# KiCad board hackrf-one.kicad_pcb (continued)
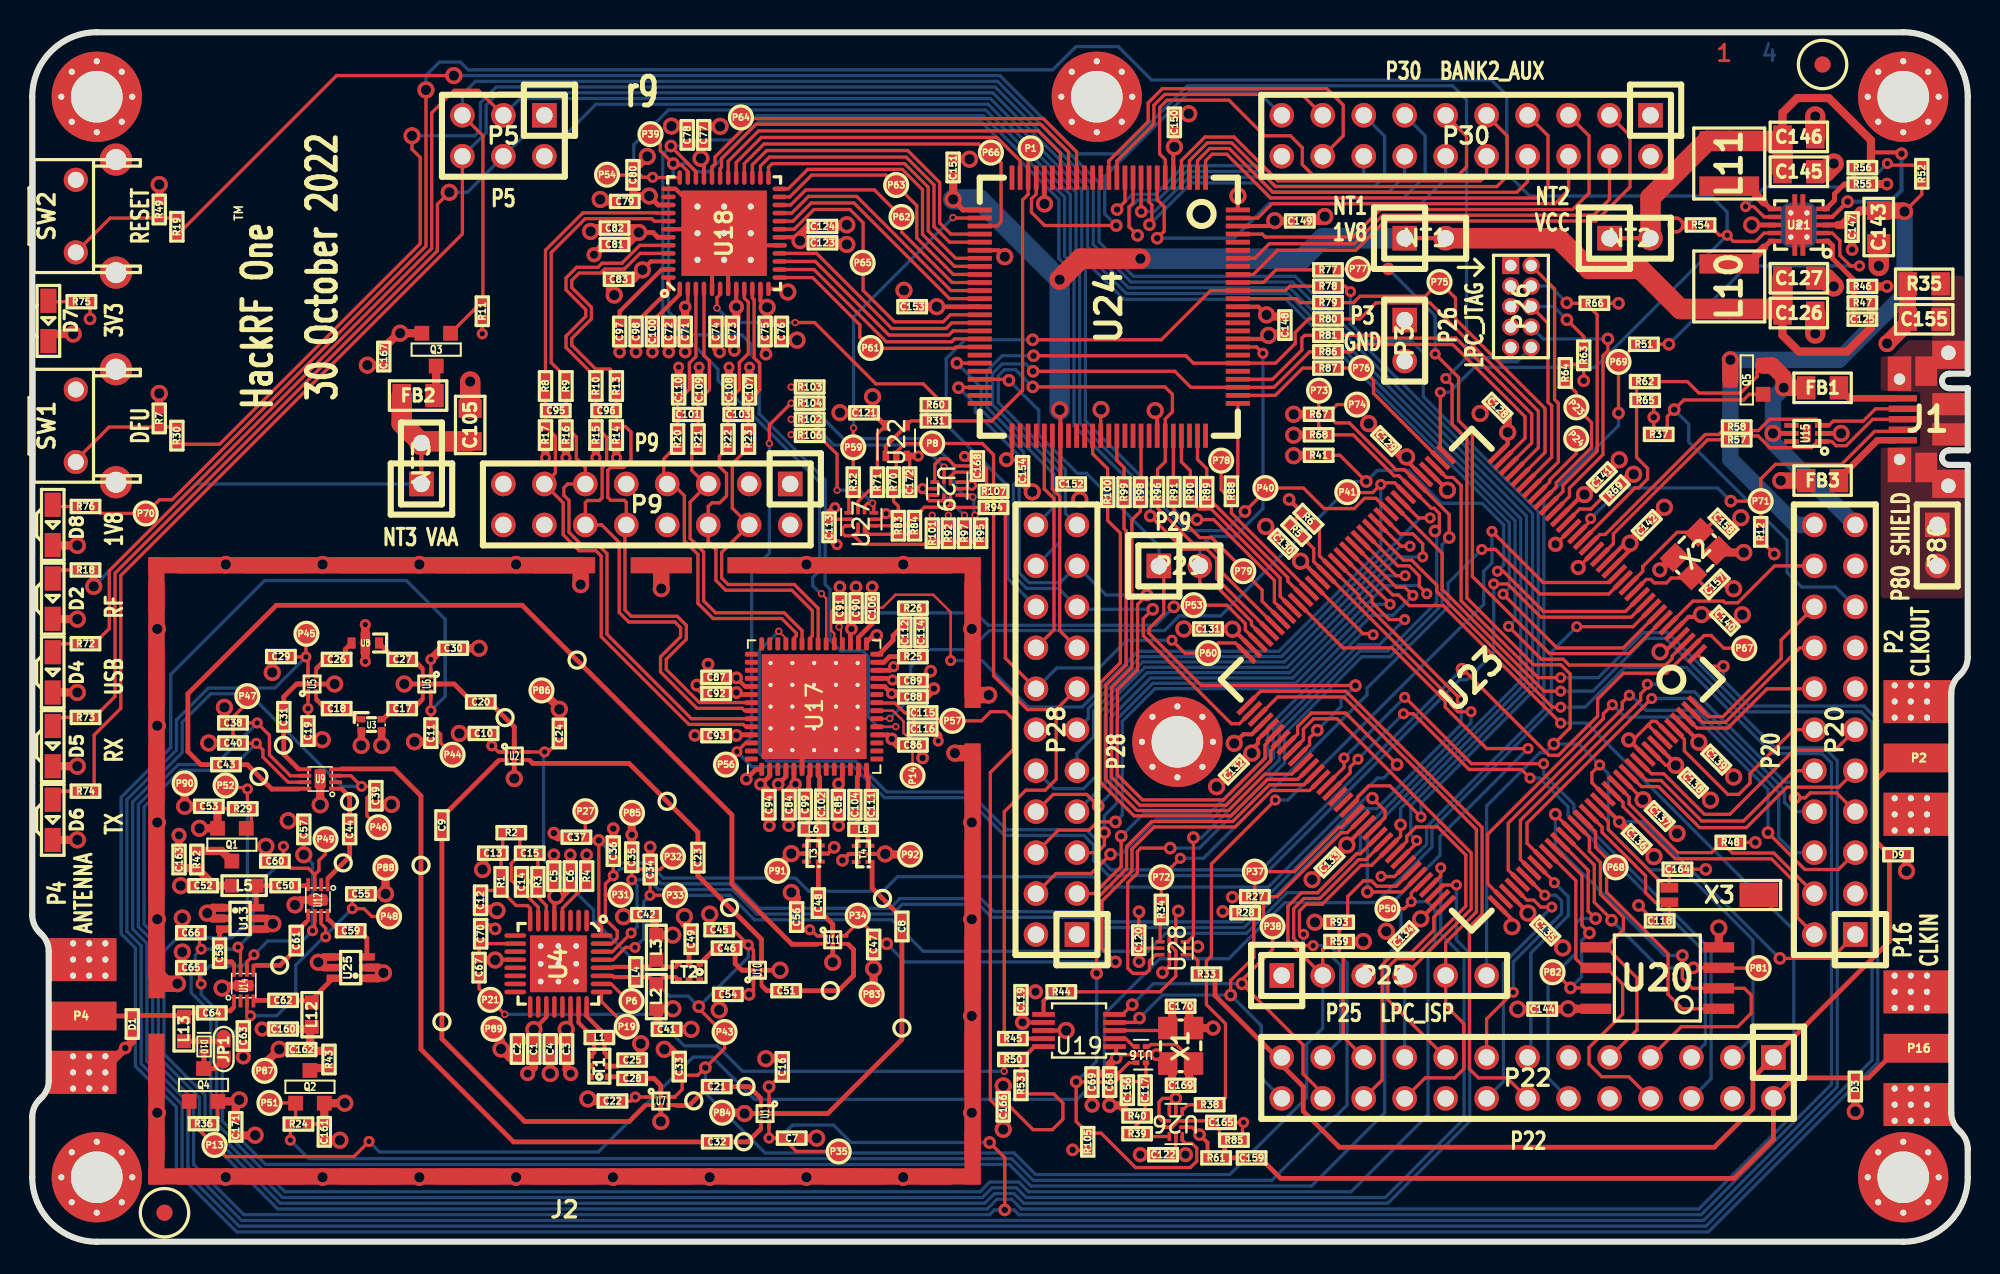
[diagram p0: board, top side]
## Routing (per net, layer and track width the routed paths; a pad name or vN(x,y) marks a point on that pad's centre or on a via; arc(x,y) is an arc through that point) (continued)
RX_AMP: length 130.3
  C1F w0.203: 17.51,22.76 17.11,23.16 16.03,23.16 15.59,23.6 C60.2 v1(15.58,24.52) ; 17.51,22.76 17.51,22.08 ; 17.51,22.76 17.77,23.03 17.77,23.64 18.18,24.05 P49.1 ; v1(87.33,23.19) 87.33,22.68 U23.105 ; C66.2 10.37,18.24 v1(10.47,18.14) ; v1(12.76,18.27) 12.91,18.12 12.91,16.66
  C4B w0.203: v1(87.33,23.19) 87.33,19.08 88.77,17.63 88.77,7.62 83.9,2.74 61.62,2.74 61.02,3.35 59.52,3.35 58.91,2.74 15.51,2.74 11.07,7.19 11.07,14.22 9.85,15.44 9.85,16.83 10.1,17.09 10.1,17.78 v1(10.47,18.14) 12.63,18.14 v1(12.76,18.27) 13.7,19.21 13.7,21.83 15.58,23.71 v1(15.58,24.52)
RX_IF: length 1.9
  C1F w0.293: C48.2 48.74,23.44
RX_MIX_BP: length 191.3
  C1F w0.203: 16.96,28.5 15.86,28.5 14.3,30.06 14.3,30.5 v1(13.89,30.9) 13,30.9 C40.2 12.45,31.46 12.45,32.54 13.33,33.43 P47.1 ; U23.54 84.35,40.11 84.71,40.11 85.37,39.45 87.48,39.45 94.76,32.16 v1(94.76,32.16)
  C4B w0.203: v1(13.89,30.9) 12.23,29.24 9.2,29.24 6.93,26.97 6.93,19.69 7.82,18.8 7.82,11.48 10.36,8.94 10.36,6.89 15.22,2.03 59.21,2.03 59.81,2.64 60.72,2.64 61.32,2.03 103.33,2.03 109.21,7.92 109.21,19.32 96.38,32.16 v1(94.76,32.16)
SCL: length 31.6
  C1F w0.203: U23.92 81.15,25.7 81,25.7 78.25,22.95 P37.1 75.8,20.47 R28.2 75.73,17.63 74.3,16.2 v2(74.3,15.3) ; v2(68.65,13.87) 68.38,13.6 U19.4
  C4B w0.203: v2(68.65,13.87) 70.08,15.3 v2(74.3,15.3) 76.2,13.4 76.2,10.16 P22.26
SDA: length 32.3
  C1F w0.203: U23.93 81.53,25.37 81.16,25.37 77.19,21.4 R27.2 76.33,20.12 P38.1 76.9,18.12 75,16.22 v2(75,16) 78.79,12.21 78.79,10.41 80.01,9.19 P22.24 ; U19.5 67.6,14.1 v2(68.2,14.7)
  C4B w0.203: v2(68.2,14.7) 69.5,16 v2(75,16)
SGPIO_CLK: length 28.3
  C1F w0.203: v1(70.66,37.3) 71.46,36.5 P60.1 73.53,37.13 74.6,37.13 U23.72 ; R107.1 R94.1 60.33,45.34 60.33,36.19 P28.14
  C4B w0.203: P28.14 63.52,35.58 66.14,35.58 67.86,37.3 v1(70.66,37.3)
SSP1_CIPO: length 53.5
  C1F w0.152: U17.33 49.72,37.72 49.53,37.91 49.53,39.08 49.77,39.32 52.72,39.32 53.52,40.12 55.86,40.12 56.94,39.04 v1(56.94,36.04)
  C1F w0.203: P41.1 81.56,46.46 83.1,46.46 v1(83.61,46.96) 83.71,47.07 84.46,47.07 U23.44
  C4B w0.203: v1(56.94,36.04) 58.88,36.04 61.76,33.16 65.1,33.16 68.55,36.61 77.29,36.61 83.61,42.93 v1(83.61,46.96)
SSP1_COPI: length 104.2
  C1F w0.152: U17.34 49.22,39.9 v4(48.93,40.19)
  C1F w0.203: v2(39.6,67.94) 39.6,67.92 41.15,66.37 U18.34 ; v2(75.19,45.29) 76.45,46.55 P40.1 78.82,46.74 80.09,45.47 81.97,45.47 82.6,46.1 83.3,46.1 U23.47
  C4B w0.203: v2(75.19,45.29) 74,44.09 71.6,44.09 64.94,50.75 64.94,60.17 64,61.11 64,64.78 58.96,69.82 44.91,69.82 43.41,68.33 40.77,68.33 40.39,67.94 v2(39.6,67.94) 39.09,67.44 39.09,57.53 42.51,54.11 42.51,53.41 48.82,47.1 48.82,41.62 48.39,41.19 48.39,40.68 48.88,40.19 v4(48.93,40.19)
SSP1_SCK: length 109.6
  C1F w0.127: v4(53.54,31.94) 53.53,31.93 U17.19
  C1F w0.203: 40.64,65.99 40.64,66.37 40.27,66.75 39.84,66.75 v2(39.74,66.85) 38.94,67.66 38.94,68.07 P39.1 ; v2(69.32,45.01) 71.37,42.95 72.82,42.95 73.43,42.34 73.43,41.13 U23.68
  C4B w0.203: v2(69.32,45.01) 69.32,45.87 64.59,50.6 64.59,60.03 63.65,60.97 63.65,64.64 58.82,69.47 45.06,69.47 41.95,66.35 41.12,66.35 40.62,66.85 v2(39.74,66.85) 39.74,66.16 39.45,65.86 39.45,57.68 40.89,56.24 43.99,56.24 44.55,55.68 44.55,55.02 45.07,54.5 45.07,51.34 49.16,47.25 49.16,40.76 49.46,40.46 49.46,37.3 50.12,36.64 51.48,36.64 51.84,36.28 51.84,32.54 52.44,31.94 v4(53.54,31.94)
TX_AMP: length 144.8
  C1F w0.203: v1(92.74,30.58) 90.18,30.58 87.6,33.15 87.6,33.52 84.3,36.83 81.27,36.83 U23.63 ; P48.1 21.06,20.17 20.57,20.66 v1(19.84,20.66) C55.1 ; C63.1 13.53,13.74 v1(13.53,14.01) 13.31,14.24 U14.3 ; v1(18.19,18.91) 18.19,19.44 17.91,19.72 17.91,20.42
  C4B w0.203: v1(92.74,30.58) 87.27,25.12 87.27,23.96 84.55,21.24 84.55,20.76 84.86,20.45 84.86,18.62 83.85,17.61 83.85,7.99 79.31,3.45 61.91,3.45 60.57,4.79 14.47,4.79 11.78,7.48 11.78,12.26 v1(13.53,14.01) 15.16,14.01 16.34,15.2 16.34,17.15 18.09,18.91 v1(18.19,18.91) 18.19,19.01 v1(19.84,20.66)
TX_IF: length 4.1
  C1F w0.293: C8.1 52.07,21.93 52.07,23.42
TX_MIX_BP: length 215.7
  C1F w0.203: 18.74,28.9 19.76,28.9 v1(20.42,28.24) 21.25,28.24 C39.2 21.31,28.09 20.75,27.53 20.75,26.42 P46.1 ; U23.46 87.41,42.7 87.41,40.46 93.73,34.14 v1(94.76,34.14)
  C4B w0.203: v1(20.42,28.24) 19.19,28.24 13.45,33.98 11.06,33.98 9.3,32.21 9.3,30.34 6.22,27.26 6.22,19.39 7.11,18.51 7.11,11.19 9.65,8.65 9.65,4.65 12.97,1.32 103.62,1.32 111.91,9.61 111.91,29.83 111.11,30.63 108.04,30.63 101.25,37.41 100.04,37.41 96.76,34.14 v1(94.76,34.14)
VAA: length 107.1
  C1F w0.152: 24.71,36.1 v1(24.71,36.11) ; 17.1,33.07 v1(17.09,33.06)
  C1F w0.203: C56.1 47.65,19.35 v1(48.2,19.35) 48.28,19.35 48.66,18.97 U11.1 ; C54.1 v2(44.44,15.34) 44.71,15.61 U10.1 ; R36.2 11.51,7.68 Q4.2 ; C19.2 v1(17.09,33.06) ; 24.71,36.1 24.71,35.12 ; R24.2 18.06,7.3 C161.1 ; 40.64,59.09 40.64,58.13 v2(40.48,57.97) ; U7.1 v1(37.39,8.98) 37.14,8.73 C22.2 ; 17.1,33.07 17.1,34.05 ; C53.1 11.63,26.85 R29.1 ; C16.1 46.38,10.31 v2(45.68,9.61) U1.1 ; C10.2 28.51,30.78 v1(28.49,30.76) 28.52,30.76 28.9,30.37 U2.1
  C1F w0.254: v3(33.1,13.17) 33.37,13.44 U4.22 ; v3(32.47,21.43) 32.37,21.33 U4.5 ; v3(45.56,57.94) 45.15,58.36 U18.11 ; v3(31.1,13.16) 31.87,13.93 U4.19 ; v3(37.83,60.26) 38.35,60.79 U18.46 ; U18.33 41.65,66.99 v3(41.46,67.17) ; U17.47 44.2,34.43 v2(43.66,34.97) ; v5(43.66,57.97) 43.64,57.98 43.64,59.09
  C1F w0.293: U17.5 47.22,28.47 v2(47.32,28.37) ; U17.25 53.24,34.93 v1(53.34,34.83) ; v2(43.66,31.4) 43.69,31.43 U17.53 ; v2(53.29,31.18) 53.04,31.43 U17.18 ; U17.31 50.72,37.94 v2(50.79,38) ; U17.11 50.22,28.62 v2(49.99,28.39) ; U17.48 43.78,33.93 v2(43.66,34.06) ; v1(53.28,33.99) 52.84,34.43 U17.24 ; U17.2 45.72,28.88 45.21,28.37 v2(45.15,28.37)
  C1F w0.305: v3(37.6,62.59) 38.48,62.59 38.78,62.29 U18.43 ; v3(38.25,64.85) 38.81,64.29 U18.39
  C1F w0.508: v3(39.72,14.45) 39.72,14.44 L2.2 38.79,14.34 C41.1 ; v3(3.81,40.64) 3.81,41.63 R18.2 ; v3(41.46,67.17) 41.46,67.94 C77.1 C78.1 ; C81.1 36.86,61.84 v3(37.6,62.59) 37.33,62.86 C82.1 ; C1.1 C2.1 ; v3(10.37,25.64) Q1.2 11.49,27.01 ; v3(45.56,57.94) 45.56,57.1 C75.1 C76.1 ; C72.1 C71.1 v2(40.48,57.97) ; v3(37.83,60.26) 37.24,59.68 C83.1 ; v1(53.34,34.83) 53.39,34.78 C89.1 ; C5.1 32.34,21.55 v3(32.47,21.43) 32.77,21.43 33.36,22.01 C6.1 ; v2(45.15,28.37) 45.67,27.84 C94.1 ; v3(39.71,19.01) L3.2 38.59,19.12 C42.1 ; 50.73,38.77 C91.1 ; 50.73,38.77 50.73,38.06 v2(50.79,38) ; 50.73,38.77 C90.1 ; C4.1 C3.1 33.13,13.15 v3(33.1,13.17) ; C80.1 37.27,65.6 C79.1 37.27,64.59 37.53,64.85 v3(38.25,64.85) ; C93.1 43.64,31.38 v2(43.66,31.4) ; v3(19.38,8.59) Q2.2 C161.1 ; C171.1 12.62,8.7 12.72,8.8 12.62,8.71 Q4.2 ; C84.1 46.92,27.97 v2(47.32,28.37) ; C86.1 53.67,30.8 v2(53.29,31.18) ; v2(49.99,28.39) 49.97,28.38 C85.1 ; v5(43.66,57.97) 43.66,57.23 C73.1 C74.1 ; C87.1 43.63,35 v2(43.66,34.97) ; v2(43.66,34.06) 43.6,34 C92.1 ; C88.1 53.86,33.99 v1(53.28,33.99) ; C166.1 v3(60.2,9.67) ; v1(24.71,36.11) 25.4,36.8 C30.1
  C4B w0.203: NT3.1 10.16,46.99 v3(3.81,40.64)
  vias: v3(12.83,8.8)
XCVR_CLK: length 39.3
  C1F w0.203: C115.1 56.23,32.3 P57.1 58.85,32.3 59.42,32.87 60.34,32.87 60.83,32.38 60.83,30.53 59.4,29.1 59.4,8.8 59.8,8.4 60.6,8.4 62.05,6.95 63.25,6.95 63.9,7.6 63.9,8.6 63.33,9.17 R53.1
XCVR_EN: length 64.1
  C1F w0.127: U17.20 53.15,32.43 v4(53.17,32.45)
  C1F w0.203: v2(82.7,47.14) 81.08,48.77 R41.2 ; U23.11 98.77,39.08 93.7,39.08 91.2,41.58 v1(90.84,41.58)
  C4B w0.203: v1(90.84,41.58) 91.23,41.97 91.23,44.45 89.89,45.79 87.37,45.79 85.33,47.83 83.39,47.83 v2(82.7,47.14) 82.01,47.14 73.68,38.81 71.11,38.81 70.2,37.9 59.34,37.9 58.16,36.72 55.53,36.72 54.47,35.66 54.47,33.75 v4(53.17,32.45)
XCVR_RXTX: length 113.1
  C1F w0.203: U17.54 44.23,30.93 v1(43.69,30.39) 43.01,29.71 P56.1 ; R104.2 v4(47.05,52) 45.7,50.65 v4(45.7,49.5) ; U23.10 99.13,38.73 93.53,38.73 91.47,40.79 v1(90.61,40.79) ; 56.53,47.28 v4(56.53,48.04) ; R97.2 v4(57.8,45.05)
  C4B w0.203: v4(47.05,52) 47.1,52 49.7,49.4 55.17,49.4 v4(56.53,48.04) 56.53,46.32 v4(57.8,45.05) ; v4(45.7,49.5) 45.7,42.7 44.6,41.6 44.6,31.3 v1(43.69,30.39) 44.62,29.46 50.92,29.46 52.84,27.54 57.93,27.54 60.27,25.2 65.2,25.2 65.82,24.58 65.82,23.62 66.73,22.71 76.35,22.71 88.49,34.85 88.95,34.85 90.61,36.51 v1(90.61,40.79)
Net-(C8-Pad2): length 16.3
  C1F w0.293: C8.2 53.92,12.55 49.32,7.95 45.98,7.95
Net-(C9-Pad1): length 27.8
  C1F w0.293: C9.1 25.4,12.59 30.53,7.46 37.01,7.46 38,8.45
Net-(C9-Pad2): length 5
  C1F w0.293: C9.2 25.44,26.37 28.92,29.84
Net-(C12-Pad1): length 4.3
  C1F w0.203: U4.8 30.87,20.68 30.7,20.85 30,20.85 R1.2 27.87,21.78 C12.1
Net-(C13-Pad1): length 2.6
  C1F w0.203: R2.2 29.17,24.17 C13.1 29.06,24.07 R1.1
Net-(C14-Pad1): length 6.4
  C1F w0.203: U4.7 31.37,20.75 C14.1 29.7,22.42 29.7,23.46 30.31,24.07 C15.1 30.23,24.17 R2.1
Net-(C14-Pad2): length 3.6
  C1F w0.203: C14.2 30.33,22.82 31.35,21.81 R3.1 31.35,21.37 31.87,20.85 U4.6
Net-(C15-Pad2): length 1.3
  C1F w0.203: C15.2 31.35,24.07 R3.2
Net-(C17-Pad1): length 1
  C1F w0.293: U3.4 21.74,32.4 C17.1
Net-(C17-Pad2): length 0.9
  C1F w0.293: C17.2 23.62,33.06 24.18,33.62
Net-(C18-Pad1): length 0.9
  C1F w0.293: 17.63,33.62 18.18,33.06 C18.1
Net-(C18-Pad2): length 1.3
  C1F w0.293: C18.2 19.53,33.06 20.2,32.4 U3.1
Net-(C20-Pad1): length 2.7
  C1F w0.293: C20.1 26.16,34.59 U6.6
Net-(C20-Pad2): length 3.4
  C1F w0.293: C20.2 29.89,31.93 U2.6
Net-(C21-Pad1): length 2.5
  C1F w0.293: C21.1 44.45,9.62 45.15,8.92
Net-(C21-Pad2): length 2.4
  C1F w0.293: 39.94,8.45 40.73,8.45 C21.2
Net-(C23-Pad1): length 7.4
  C1F w0.293: C23.1 41.27,22.7 45.21,18.76 U10.4
Net-(C23-Pad2): length 13.3
  C1F w0.293: 30.85,29.84 31.03,29.66 37,29.66 41.27,25.39 C23.2
Net-(C25-Pad1): length 1.2
  C1F w0.293: C25.1 36.28,10.89 T1.2
Net-(C26-Pad1): length 1.2
  C1F w0.293: C26.1 19.41,36.73 U8.3
Net-(C26-Pad2): length 0.9
  C1F w0.293: C26.2 18.18,36.11 17.63,35.55
Net-(C27-Pad1): length 1.4
  C1F w0.293: U8.1 22.4,36.22 C27.1
Net-(C27-Pad2): length 0.9
  C1F w0.293: 24.18,35.55 23.62,36.11 C27.2
Net-(C28-Pad1): length 1
  C1F w0.293: C28.1 36.56,10.23 T1.1
Net-(C28-Pad2): length 1.4
  C1F w0.293: C28.2 38.54,10.12 38.97,9.69
Net-(C31-Pad1): length 3.1
  C1F w0.293: C31.1 15.6,30.23 16.5,29.32
Net-(C31-Pad2): length 2.2
  C1F w0.293: C31.2 15.6,33.79 16.39,34.59 U5.6
Net-(C32-Pad1): length 2.5
  C1F w0.293: 45.15,6.98 44.36,6.19 C32.1
Net-(C32-Pad2): length 41.5
  C1F w0.293: 19.2,29.32 22.43,29.32 24.1,27.65 24.1,11.93 29.84,6.19 C32.2
Net-(C43-Pad1): length 4.6
  C1F w0.293: 16.5,28.07 14.85,28.07 13.33,29.59 C43.1
Net-(C43-Pad2): length 58.3
  C1F w0.293: 48.66,18.44 47.1,18.44 43.38,22.17 43.38,26.46 30.37,39.47 15.13,39.47 9.65,33.98 9.65,30.4 10.46,29.59 C43.2
Net-(C44-Pad1): length 3
  C1F w0.293: 18.34,22.55 19.68,23.89 C44.1
Net-(C44-Pad2): length 2.2
  C1F w0.293: C44.2 19.68,27.59 19.2,28.07
Net-(C46-Pad1): length 2
  C1F w0.293: U10.6 43.99,16.84 43.58,17.25 C46.1
Net-(C46-Pad2): length 1.5
  C1F w0.293: C46.2 42.37,18.21 T2.1
Net-(C48-Pad1): length 1.6
  C1F w0.293: U11.6 49.63,19.69 48.85,20.47 C48.1
Net-(C49-Pad2): length 1.1
  C1F w0.293: C49.2 40.72,18.1 T2.2
Net-(C50-Pad1): length 2.6
  C1F w0.293: U13.6 13.89,22.07 L5.2 C50.1
Net-(C51-Pad1): length 6.1
  C1F w0.293: C51.1 49.98,15.57 50.92,16.5 50.92,18.12 50.6,18.44
Net-(C51-Pad2): length 1.1
  C1F w0.293: C51.2 45.55,15.57 45.24,15.87
Net-(C58-Pad2): length 1.1
  C1F w0.293: U13.3 11.61,19.12 C58.2
Net-(C59-Pad2): length 1.8
  C1F w0.293: U25.3 20.75,18.82 C59.2
Net-(C61-Pad1): length 2.9
  C1F w0.293: 13.84,17.14 15.36,17.14 C61.1
Net-(C61-Pad2): length 0.9
  C1F w0.293: C61.2 16.98,19.83
Net-(C62-Pad2): length 3.3
  C1F w0.293: C62.2 17.2,14.97 ; L12.2 17.33,15.02 18.65,16.34 U25.6
Net-(C64-Pad1): length 1
  C1F w0.293: 12.49,14.53 12.27,14.32 11.79,14.32 C64.1
Net-(C64-Pad2): length 7.6
  C1F w0.293: 3.12,14 6.17,14 D1.2 9.33,14.03 L13.2 9.63,14.19 C64.2
Net-(C99-Pad1): length 1.8
  C1F w0.293: U17.7 48.22,28.9 48.14,28.82 48.14,27.82 47.97,27.65
Net-(C99-Pad2): length 2.2
  C1F w0.293: C99.2 48.1,26.41 48.1,25.79 L6.1 48.1,25.4 48.1,24.66
Net-(C102-Pad1): length 1.8
  C1F w0.293: U17.8 48.72,28.9 48.81,28.81 48.81,27.82 48.99,27.65
Net-(C102-Pad2): length 2.2
  C1F w0.293: 48.77,24.66 48.77,25.4 L6.2 48.77,25.79 48.77,26.41 C102.2
Net-(C104-Pad1): length 1.8
  C1F w0.293: U17.13 51.22,28.91 51.15,28.83 51.15,27.8 50.98,27.63
Net-(C104-Pad2): length 2.1
  C1F w0.293: 51.17,24.67 51.17,25.38 L8.1 51.17,25.77 51.17,26.39 C104.2
Net-(C105-Pad1): length 6.5
  C1F w1.27: C105.1 24.23,49.63 NT3.2 22.91,50.75 FB2.2
Net-(C106-Pad1): length 2
  C1F w0.293: U17.30 51.22,37.49 52.08,38.34 C106.1
Net-(C111-Pad1): length 1.8
  C1F w0.293: 52,27.63 51.83,27.8 51.83,28.8 51.72,28.91 U17.14
Net-(C111-Pad2): length 2.2
  C1F w0.293: C111.2 51.85,26.39 51.85,25.77 L8.2 51.85,25.38 51.85,24.64
Net-(C114-Pad1): length 1
  C1F w0.293: C114.1 55.13,38.35 R26.2
Net-(C114-Pad2): length 1
  C1F w0.293: C114.2 55.13,37.22 R25.2
Net-(C117-Pad1): length 2.6
  C1F w0.203: R39.1 67.97,6.73 R40.2 69,7.83 C117.1
Net-(C117-Pad2): length 2.3
  C1F w0.203: U16.1 69.05,9.99 C117.2 C156.1
Net-(C125-Pad2): length 5.8
  C1F w0.305: 111.03,62.05 111.34,62.05 111.61,61.78 111.61,60.98 112.93,59.65 R46.2 R47.2 C125.2
Net-(C159-Pad2): length 6.7
  C1F w0.203: R85.1 73.6,6.67 73.6,6.97 C165.1 73.07,7.5 U26.2 71.07,7.5 70.67,7.1 70.32,7.1
  C1F w0.293: C159.2 R61.2 73.93,6.27 R85.1
Net-(C160-Pad1): length 3.9
  C1F w0.508: C160.1 17.2,13.19 L12.1 17.23,13.22 C162.2 17.31,11.83 R43.2
Net-(C163-Pad2): length 3.8
  C1F w0.508: C163.2 R42.1 11.13,22.24 C52.1 L5.1
Net-(C169-Pad2): length 5
  C1F w0.203: X1.1 72,11.15 70.92,12.23 69.35,12.23 69.22,12.1 U16.3
  C1F w0.508: C169.2 71.73,10.78 X1.1
Net-(C172-Pad2): length 5.8
  C1F w0.203: R83.2 53.7,45.61 53.4,45.91 R70.1 ; R70.1 C172.2 ; R70.1 R71.1 51.87,46.57 51.2,45.9 U27.7
Net-(D2-Pad2): length 1.7
  C1F w0.203: R18.1 1.8,41.66 D2.2
Net-(D4-Pad2): length 1.7
  C1F w0.203: R72.1 1.8,37.08 D4.2
Net-(D5-Pad2): length 1.7
  C1F w0.203: R73.1 1.8,32.51 D5.2
Net-(D6-Pad2): length 1.7
  C1F w0.203: D6.2 1.8,27.94 R74.1
Net-(D7-Pad2): length 1.5
  C1F w0.203: D7.2 1.06,58.29 R75.1
Net-(D8-Pad2): length 1.5
  C1F w0.203: D8.2 1.38,45.59 R76.1
Net-(D10-Pad1): length 2.5
  C1F w0.305: L13.1 9.41,12.43 D10.1 11.7,12.43 JP1.1
Net-(D10-Pad2): length 2.5
  C1F w0.305: JP1.2 11.31,10.74 Q4.3 10.65,10.77 D10.2
Net-(FB1-Pad1): length 3.7
  C1F w0.406: FB1.1 112.67,52.3 115.47,52.3
Net-(FB2-Pad1): length 1.9
  C1F w0.508: FB2.1 25.04,52.58 Q3.3
Net-(FB3-Pad1): length 4.6
  C1F w0.406: FB3.1 112.02,47.32 114.4,49.7 115.47,49.7
Net-(J1-Pad2): length 10.7
  C1F w0.203: J1.2 114.29,51.65 113.52,50.89 111.66,50.89 111.4,50.62 U15.3 110.6,51 107.73,51 107.02,50.3 106.43,50.3 R58.2
Net-(J1-Pad3): length 11.1
  C1F w0.203: J1.3 114.1,51 112.47,49.36 111.83,49.36 111.57,49.62 U15.1 110.7,49.62 110.32,49.24 107.73,49.24 107,49.97 106.45,49.97 R57.2
Net-(L1-Pad1): length 3.5
  C1F w0.254: T1.4 34.84,11.72 34.84,12.45 L1.1 34.63,12.83 33.87,13.59 U4.23
Net-(L1-Pad2): length 3.7
  C1F w0.254: U4.24 34.37,13.99 L1.2 35.48,12.45 35.48,11.73 T1.3
Net-(L2-Pad1): length 5.4
  C1F w0.254: T2.4 39.88,16.41 39.14,16.41 L2.1 38.25,16.41 37.64,16.41 L4.2 37.2,16.41 36.05,16.41 35.98,16.49 U4.27
Net-(L3-Pad1): length 5.4
  C1F w0.254: T2.3 39.88,17.05 39.14,17.05 L3.1 38.25,17.04 37.64,17.04 L4.1 37.2,17.04 36.03,17.04 35.98,16.99 U4.28
Net-(L10-Pad1): length 3.4
  C1F w0.305: 108.03,62.05 107.77,62.05 107.37,61.65
  C1F w0.508: L10.1 106.36,60.64 107.37,61.65
Net-(L11-Pad2): length 3.4
  C1F w0.305: 107.37,64.45 107.77,64.05 108.03,64.05
  C1F w0.508: 107.37,64.45 106.36,65.46 L11.2
Net-(P6-Pad1): length 2.3
  C1F w0.203: P6.1 36.95,14.93 35.89,15.99 U4.26
Net-(P19-Pad1): length 2.8
  C1F w0.203: P19.1 35.3,14.9 U4.25
Net-(Q1-Pad3): length 2.4
  C1F w0.508: R42.2 11.75,24.23 Q1.3
Net-(Q2-Pad3): length 1.2
  C1F w0.508: Q2.3 17.36,10.77 R43.1
Net-(R4-Pad2): length 2.9
  C1F w0.203: R4.2 34.33,22.14 32.87,20.68 U4.4
Net-(R19-Pad2): length 7.1
  C1F w0.203: SW2.2 4.82,63.47 R49.2 R19.2
Net-(R30-Pad2): length 7.3
  C1F w0.203: 2.6,48.35 4.77,50.52 R7.1 R30.2
Net-(R31-Pad2): length 4.8
  C1F w0.203: U22.4 54.49,50.9 R31.2 R60.2
  C1F w0.254: U22.1 52.92,49.33 U22.4
Net-(R32-Pad2): length 1.5
  C1F w0.203: R32.2 50.62,46.29 U27.8
Net-(R33-Pad2): length 1.8
  C1F w0.203: R33.2 72.27,17.43 71.9,17.8 U28.3
Net-(R34-Pad2): length 1.5
  C1F w0.203: R34.2 69.93,19.99 69.93,18.6
Net-(R38-Pad1): length 1.4
  C1F w0.203: U26.3 71.3,8.13 71.67,8.5 R38.1
Net-(R39-Pad2): length 1.5
  C1F w0.203: U26.8 69.21,6.53 R39.2
Net-(R44-Pad2): length 9.4
  C1F w0.203: R44.2 69.93,15.5 70.9,16.47 U28.2 70.9,18.03 70.5,18.43 70.5,18.78
Net-(R51-Pad1): length 18.5
  C1F w0.203: v2(101.47,55.65) R51.1 ; 111.03,62.55 111.61,62.55 112.07,62.08 112.07,61.17 112.73,60.51 v1(113.29,60.51)
  C4B w0.203: v2(101.47,55.65) 106.33,60.51 v1(113.29,60.51)
Net-(R52-Pad2): length 14.1
  C1F w0.203: v1(106.23,64.19) 106.74,64.19 107.38,63.55 108.03,63.55 ; v1(115.02,66.86) 115.12,66.76 R52.2
  C4B w0.203: v1(106.23,64.19) 107.45,65.41 113.57,65.41 v1(115.02,66.86)
Net-(R55-Pad2): length 3.8
  C1F w0.305: 111.03,64.05 111.22,64.05 111.74,64.57 111.74,64.98 112.35,65.59 R55.2 R56.2
Net-(R83-Pad1): length 3.3
  C1F w0.203: R84.1 R83.1 51.91,43.87 51.6,44.18 51.6,44.22
Net-(R84-Pad2): length 7.9
  C1F w0.203: 56.93,45.74 U29.7 ; 56.93,45.74 57.14,45.53 R94.2 ; 56.93,45.74 56.74,45.55 55.32,45.55 R84.2 54.17,44.4 U27.3
Net-(R101-Pad1): length 10.3
  C1F w0.203: U27.1 51.2,44.03 50.95,43.78 ; 50.95,43.78 51.48,43.25 55.65,43.25 R101.1 R92.1 R97.1 R95.1 ; 50.95,43.78 50.39,43.78 50.23,43.94 50.23,44.23 50.4,44.4 U27.10
Net-(R102-Pad1): length 10.9
  C1F w0.203: v4(49.9,46.6) 49.9,48.83 R106.2 R102.1 R104.1 R103.1 ; U27.6 51.6,45.6 51.8,45.8 v4(52.1,45.8) 52.17,45.72 U27.5
  C4B w0.203: v4(52.1,45.8) 51.3,46.6 v4(49.9,46.6)
Net-(R103-Pad2): length 18.2
  C1F w0.203: R103.2 v4(47.05,53) ; R95.2 58.45,44.82 v4(58.45,45.05) ; 57.5,46.3 58.2,46.3 v4(58.32,46.18)
  C4B w0.203: v4(58.45,45.05) 58.38,45.12 58.38,46.12 v4(58.32,46.18) 57.88,46.18 57.1,46.96 57.1,48.2 55.5,49.8 50.3,49.8 47.1,53 v4(47.05,53)
Net-(R107-Pad2): length 6.2
  C1F w0.203: R107.2 59.17,46.64 59.17,47.93 58.99,48.11 57.21,48.11 56.77,48.55 56.3,48.55 55.95,48.2 U29.3

## Copper pours and planes (outline as drawn; the poured copper is in the pictures)
GND on C2: 0,75 0,0 120,0 120,75 108.5,74.9 108.5,72.5 104.1,72.5 104.1,75
VCC on C3: 59.5,12 62,12 62,0 120,0 120,75 108.5,75 108.5,72.5 104.1,72.5 104.1,75 0,75 0,23 3.5,23 6,25.5 6,41 29,54 29,62 36,69 45,69 48,66 48,53 46.7,51.7 46.7,43.5 59.5,43.5
/Microcontroller, CPLD, USB, Power/USB_SHIELD on C1F: 114.6,54.9 114.6,39.9 120,39.9 120,59.9 117.8,59.9 117.8,55.9 116.3,55.9 115.3,54.9
/Microcontroller, CPLD, USB, Power/USB_SHIELD on C4B: 114.6,54.9 114.6,39.9 120,39.9 120,56.9 117.3,56.9 115.3,54.9
VAA on C3: 0,0 61,0 61,11 58.5,11 58.5,42.5 45.7,42.5 45.7,51.9 47,53.2 47,65 44,68 37,68 30,61 30,53 7,40 7,24.5 4,21.5 0,21.5

## Text on the board
C4B: 4
User.Comments: RESET | CLKIN | 3V3 | DFU | CLKOUT | 1V8 | RF | LED1 | RX | TX | USB | ANTENNA | end plate templates for optional Hammond 1455J1201 enclosure | front end plate | rear end plate
C1F: 1
F.Silkscreen: TM | NT3 VAA | P5 | P9 | P29 | NT1 / 1V8 | P3 / GND | P25  LPC_ISP | P30  BANK2_AUX | P22 | NT2 / VCC | P4 / ANTENNA | 3V3 | 1V8 | RF | USB | RX | TX | RESET | DFU | P28 | P26 / LPC_JTAG | P20 | P80 SHIELD | P2 / CLKOUT | P16 / CLKIN | r9 | HackRF One | 30 October 2022
C2: 2
C3: 3
